# Altium PCB Rear Power Distibution.PcbDoc (part 3 of 3) (continued)
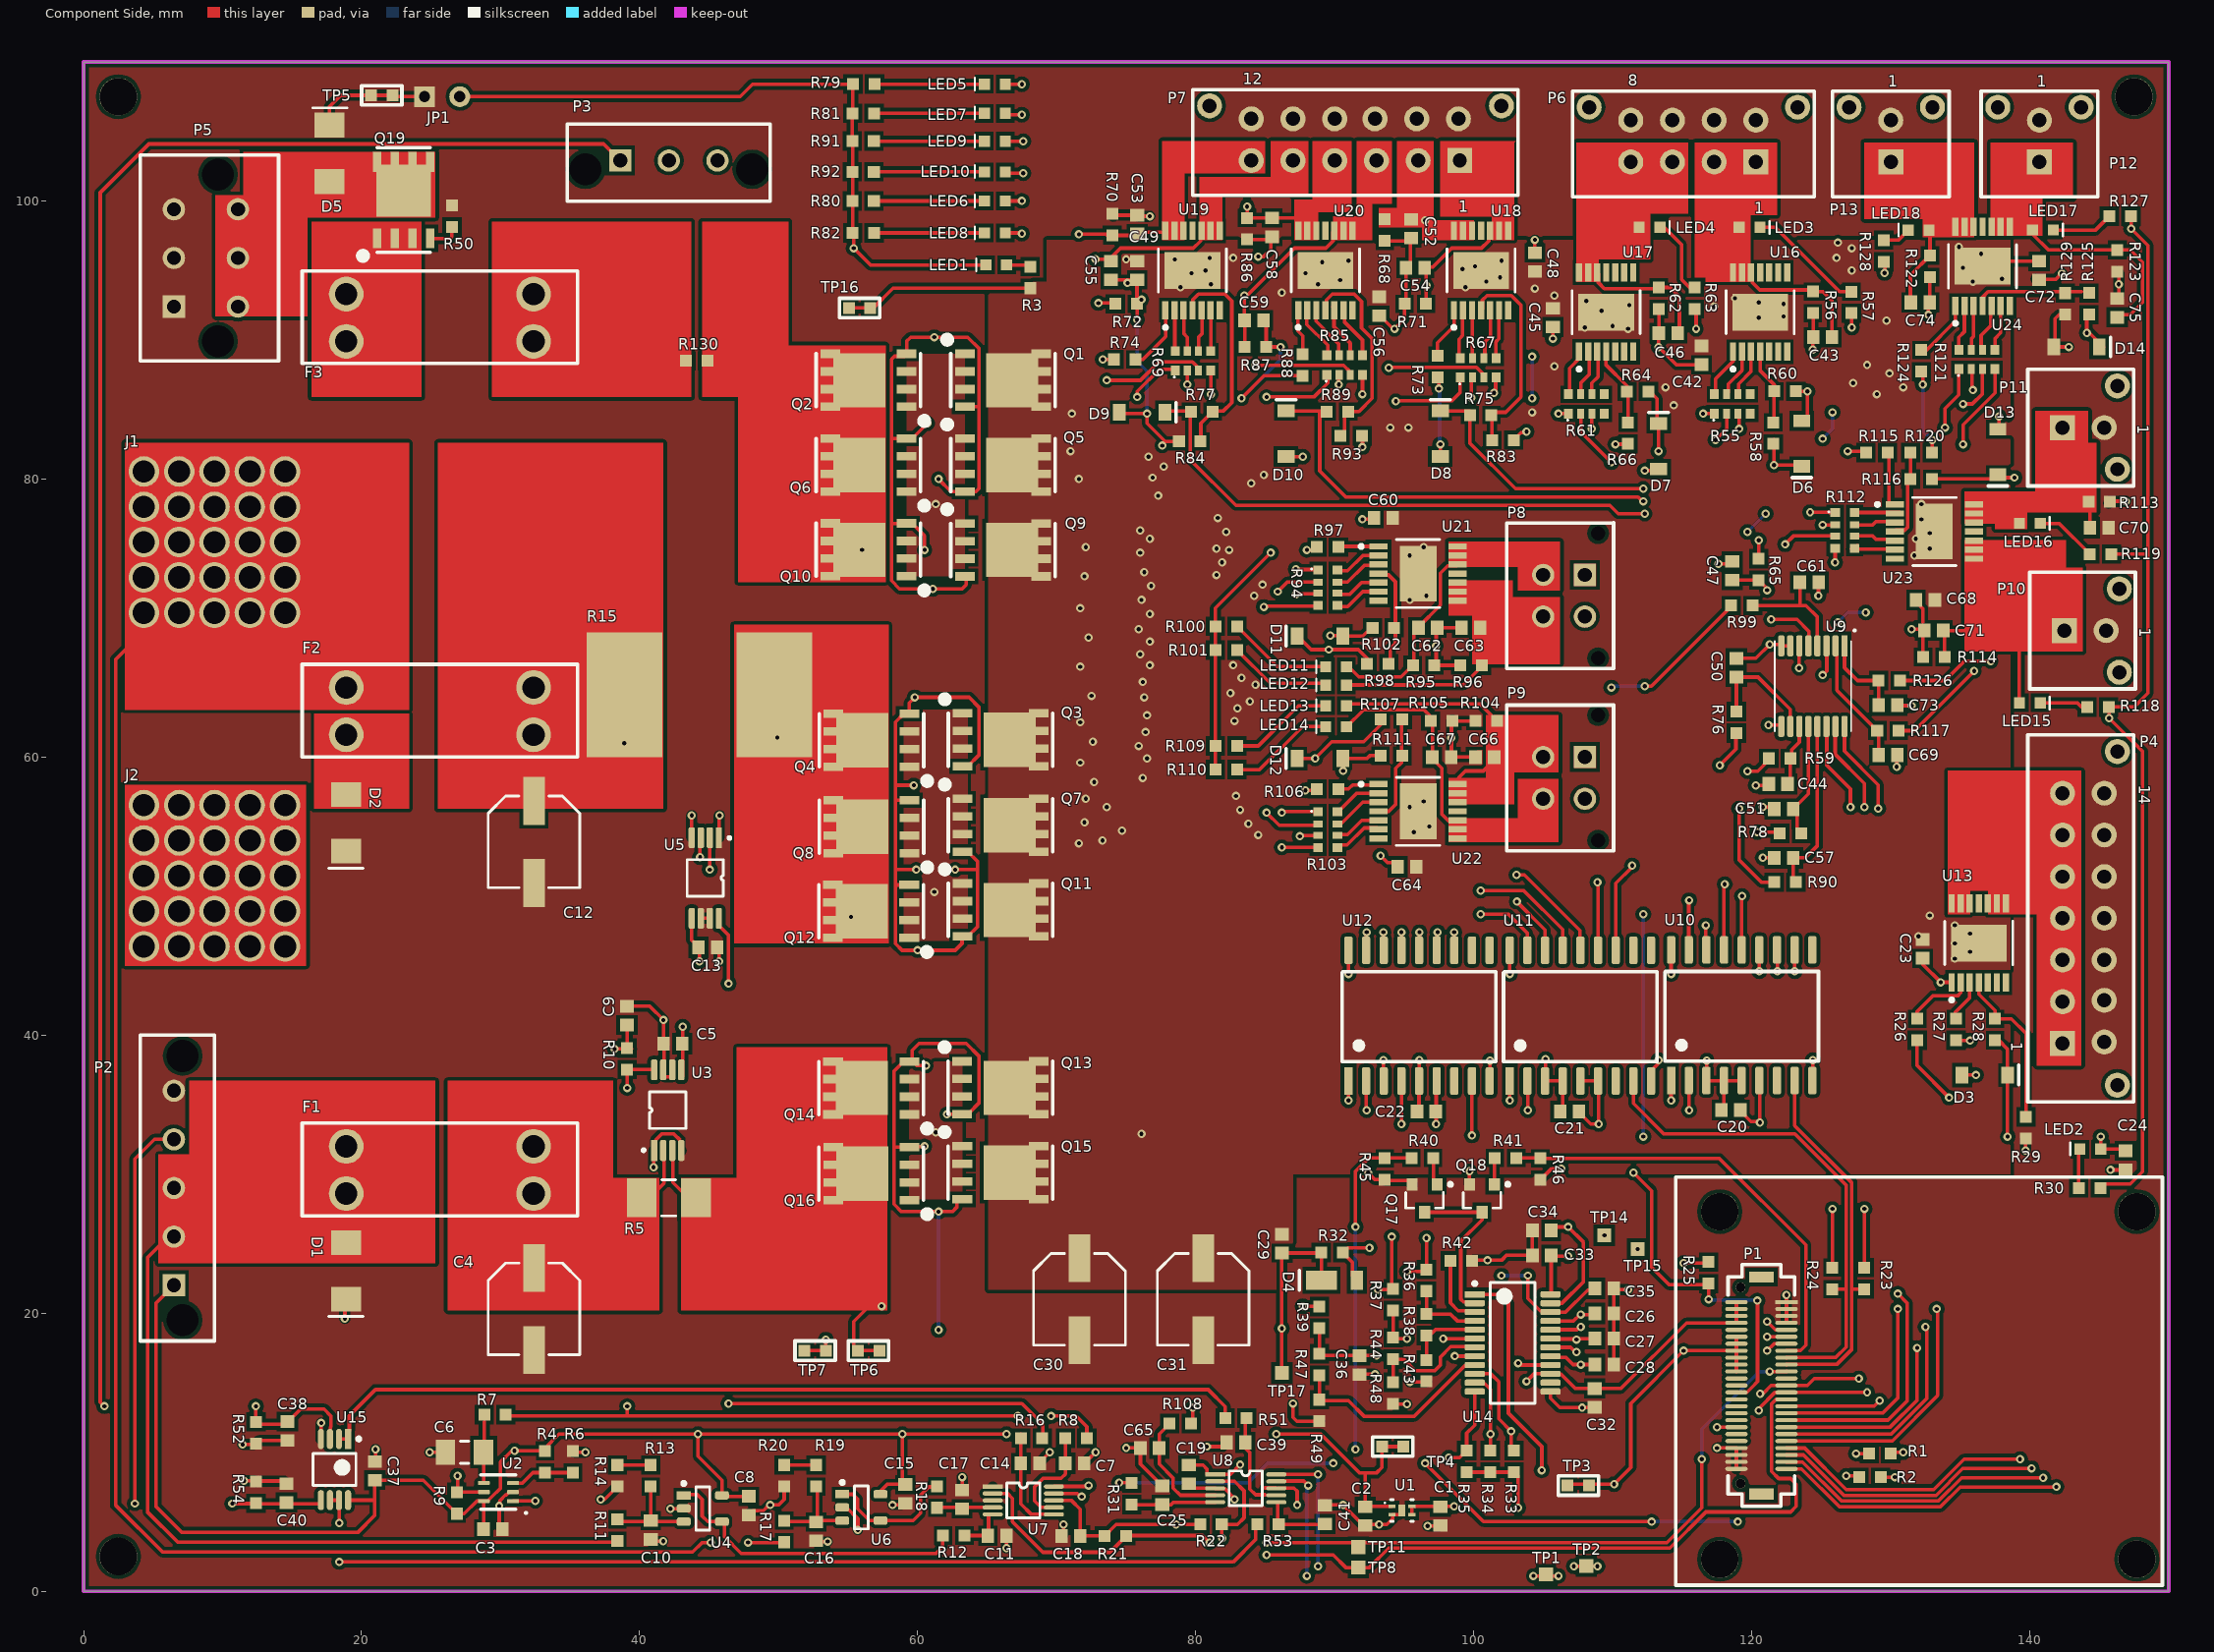
[diagram p0: Component Side view]
## Nets (pads, with @x,y where several pads share a name; then routed paths per layer and width w, separated by ;. In a path a pad name is that pad's centre, name@x,y a point inside that pad or via, vN(x,y) a via of type N, cw(c..) or ccw(c..) an arc to the next point about the centre after c; other vN are vias at no path point) (continued)
  Component Side w0.254: U14.10@100.075,15.635 101.227,15.635 101.8,15.062 101.8,12.4 v1(102.7,11.5) 102.7,10.512 102.6,10.412 R33.2@102.9,10.112 ; v1(121.1,19.4) 121.7,18.8 122.482,18.8 122.491,18.809 P1.5@122.5,18.8
  Signal w0.254: v1(102.7,11.5) 113.337,11.5 v1@121.037,19.2
PB0_MUX_OUTPUT: P1.17 U9.3 | length 65.4
  Component Side w0.254: P1.17@122.5,12.8 122.509,12.809 129.409,12.809 130.5,13.9 v1(130.5,20.3) ; v1(125.1,65.9) 125.4,66.2 U9.3@125.4,67.9
  Signal w0.254: v1(125.1,65.9) 126.206,64.794 126.206,35.042 131.181,30.067 131.181,21.118 130.5,20.437 v1(130.5,20.3)
PB1_FRONT_POWER_EN: P1.16 R26.1 | length 36.5
  Component Side w0.254: P1.16@122.5,13.3 122.509,13.309 128.809,13.309 v1(129.2,13.7) ; R26.1@131.9,39.625 131.9,37.8 v1(134.2,35.5)
  Signal w0.254: v1(129.2,13.7) 135,19.5 135,34.7 v1(134.2,35.5)
PB2_ADC_VSENSE_INT: P1.15 R21.2 TP8.TP U7.2 | length 73.7
  Component Side w0.254: U7.2@65.402,7.027 65.411,7.018 66.482,7.018 66.821,6.679 66.821,4.998 69.02,2.8 73.829,2.8 R21.2@75.002,3.973 75.029,4 80.5,4 v1(81,3.5) ; v1(85.1,2.6) 89.9,2.6 90.8,1.7 91.4,1.7 TP8.TP@91.571,1.871 ; TP8.TP@91.7,2 92,1.7 92.5,1.7 93.894,3.094 114.068,3.094 114.074,3.1 114.1,3.1 116.7,5.7 122.8,5.7 123.2,6.1 123.2,7.7 122.8,8.1 121.943,8.1 121.421,8.622 121.421,13.478 121.735,13.791 122.491,13.791 P1.15@122.5,13.8
  Signal w0.254: v1(81,3.5) 81.9,2.6 v1(85.1,2.6)
PB4_IO_REAR_LIGHT_EN_INT: P1.37 R25.2 U12.8 | length 40.9
  Component Side w0.254: v1(99.878,32.778) U12.8@99.878,36.7 ; v1(111.5,30.1) 112.8,28.8 112.8,23.3 114.05,22.05 116.9,22.05 v1(116.9,21) ; P1.37@118.9,14.3 118.909,14.309 119.665,14.309 120.042,14.685 120.042,14.705 120.419,15.082 120.419,20.881 v1(120.4,20.9)
  Signal w0.254: v1(99.878,32.778) 100.499,32.156 109.444,32.156 v1(111.5,30.1)
  Solder Side w0.254: v1(116.9,21) 116.95,20.95 120.35,20.95 v1(120.4,20.9)
PB8_EN: P1.32 U14.1 | length 31
  Component Side w0.254: U14.1@100.075,21.35 101.888,21.35 102.5,20.738 102.5,12.8 104.9,10.4 v1(104.9,8.7) ; v1(117.5,11.8) P1.32@118.9,11.8
  Signal w0.254: v1(104.9,8.7) 114.4,8.7 v1(117.5,11.8)
PB12_ADC_FRONT_PWR_INT: P1.11 R22.2 TP11.TP U8.2 | length 56.2
  Component Side w0.254: U8.2@81.4,7.9 82.8,7.9 83.481,7.219 83.481,5.281 83,4.8 R22.2@81.875,4.8 v1@81.875,3.825 ; v1(85.1,3.5) 91.7,3.5 113.9,3.5 116.4,6 v1(116.4,9.5) ; v1(121.294,15.8) P1.11@122.5,15.8 P1.11@122.509,15.809
  Signal w0.254: v1(81.9,3.8) 84.8,3.8 v1(85.1,3.5)
  Solder Side w0.254: v1(116.4,9.5) 116.4,11.663 120.537,15.8 v1(121.294,15.8)
PB13_IO_DSEL_IO_INT: P1.10 R23.2 U10.8 | length 29.3
  Component Side w0.254: P1.10@122.5,16.3 122.509,16.309 126.109,16.309 127.2,17.4 127.2,21.8 127.275,21.725 R23.2@128.1,21.725 ; U10.8@123.09,36.7 123.09,33.484 127.2,29.374 127.2,19.6
PB14_IO_LOAD_EN_INT: P1.9 R24.2 U11.8 | length 38.8
  Component Side w0.254: U11.8@111.484,36.7 111.484,35.079 113.663,32.9 123.1,32.9 126.794,29.206 126.794,19.5 ; P1.9@122.5,16.8 122.509,16.809 126.035,16.809 126.794,17.568 126.794,21.7 126.769,21.725 R24.2@125.8,21.725
PB15_S\H\D\N\: P1.8 R41.2 R46.1 | length 32.2
  Component Side w0.254: R41.2@103.071,31.162 104.775,31.162 R46.1@104.8,31.137 117.663,31.137 123.9,24.9 123.9,17.7 123.5,17.3 P1.8@122.5,17.3
POWER_SUPLLY_FUSED: C33.1 Q2.5 Q2.6 Q2.7 Q2.8 Q6.5 Q6.6 Q6.7 Q6.8 Q10.5 Q10.6 Q10.7 Q10.8 R36.1 R130.2 U14.24 | length 109.8
  Component Side w0.254: v1(95.2,23) 96.463,23 R36.1@96.6,23.137 v1(96.6,25.4) ; U14.24@105.025,21.35 U14.24@105.525,21.35 105.575,21.4 C33.1@105.575,24.157 105.632,24.1 v1(106.8,24.1)
  Signal w0.254: v1(56,74.9) 56,24.2 57.2,23 v1(95.2,23) ; v1(96.6,25.4) 106.2,25.4 106.8,24.8 v1(106.8,24.1)
REAR_BRAKE_LIGHT_DSEL: R85.3 U10.12 | length 101
  Component Side w0.254: v1(84.27,88.17) 90.645,88.17 91.12,87.695 R85.3@91.12,87.5 ; U10.12@121.835,46.045 121.835,44.615 v1(121.85,44.6)
  Signal w0.254: v1(84.27,88.17) 75.77,88.17 74.386,86.786 74.386,57.74 86.132,45.994 120.456,45.994 v1@121.8,44.65
REAR_BRK_LIGHT_ISENSE: C57.1 R90.1 U9.12 | length 12.5
  Component Side w0.254: R90.1@123.175,51 122.975,51.2 C57.1@122.975,52.754 123.854,52.754 124.725,53.625 U9.12@124.725,62.2
REAR_CAMERA_EN: R103.1 U11.14 | length 30.3
  Component Side w0.254: v1(86.2,56) 86.29,56.09 88.79,56.09 R103.1@88.8,56.08 ; v1(103.076,51.524) 103.641,51.524 107.637,47.529 U11.14@107.637,45.737
  Signal w0.254: v1(86.2,56) 86.2,54.463 89.115,51.548 103.052,51.548 v1(103.076,51.524)
Rear_Camera_PWR: C66.1 LED13.1 P9.2 R104.1 U22.12 U22.13 U22.14 | length 17.9
  Component Side w0.254: LED13.1@90.85,63.69 90.97,63.81 100.465,63.81 R104.1@101.675,62.6 101.675,60.2 C66.1@101.475,60 101.475,59.775 100.7,59 99.4,59 98.9,58.5 98.9,58.1 U22.14@98.85,58.05
Rear_Left_Brake_Light_PWR: C58.1 LED10.1 P7.4 R86.1 U20.12 U20.13 U20.14 | length 23.9
  Component Side w0.254: LED10.1@66.3,102.09 66.39,102 v1(67.6,102) ; v1(83.7,99.6) R86.1@83.7,98.775 C58.1@85.5,98.775 87.379,98.775 U20.14@87.379,97.85
  Signal w0.254: v1(67.6,102) 71.2,102 72.8,100.4 82.9,100.4 v1(83.7,99.6)
REAR_LEFT_BRAKEL_EN: R85.4 U12.14 | length 61.2
  Component Side w0.254: v1(92,86.1) R85.4@92,87.5 ; U12.14@96.068,45.7 96.2,45.832 96.1,45.932 v1(96.1,47.4)
  Signal w0.254: v1(92,86.1) 87.911,86.1 79.557,77.746 79.557,71.438 79.608,55.415 85.911,49.112 94.388,49.112 v1(96.1,47.4)
REAR_LEFT_TURN_EN: R69.4 U12.16 | length 53.4
  Component Side w0.254: R69.4@81.09,87.89 81.09,86.11 v1(81.1,86.1) ; U12.16@93.514,45.714 v1@93.514,47.286
  Signal w0.254: v1(81.1,86.1) 81.1,85.9 81.1,80.6 78.571,78.071 78.571,55.303 85.574,48.3 92.6,48.3 v1(93.5,47.4)
Rear_Left_Turn_Light_PWR: C53.1 LED8.1 P7.6 R70.1 U19.12 U19.13 U19.14 | length 11.9
  Component Side w0.254: LED8.1@66.3,97.7 67.45,97.7 v1(67.5,97.65) ; v1(71.6,97.6) 73.579,97.6 73.779,97.4 R70.1@73.875,97.496 ; R70.1@73.925,97.396 R70.1@74.025,97.496 ; R70.1@74,97.525 75.7,97.525 C53.1@75.8,97.625 75.927,97.752 77.752,97.752 U19.14@77.85,97.85
  Signal w0.254: v1(67.5,97.65) 71.55,97.65 v1(71.6,97.6)
Rear_Right_Brake_Light_PWR: C59.1 LED9.1 P7.3 R87.1 U20.8 U20.9 U20.10 | length 39.3
  Component Side w0.254: LED9.1@66.3,104.3 v1(67.6,104.3) ; R87.1@83.525,89.9 C59.1@83.525,91.7 ; C59.1@83.525,91.4 83.5,91.425 v1(83.5,93.2) 83.7,93.2 87.104,96.604 89.358,96.604 89.881,97.127 89.881,97.752 U20.10@89.979,97.85
  Signal w0.254: v1(67.6,104.3) 71.1,104.3 73.9,101.5 82.763,101.5 84.381,99.882 84.381,96.913 83.5,96.032 v1(83.5,93.2)
REAR_RIGHT_BRAKEL_EN: R85.1 U12.15 | length 59.1
  Component Side w0.254: v1(85.1,85.9) 88.5,85.9 89.5,86.9 89.5,87.23 R85.1@89.3,87.43 ; U12.15@94.799,45.701 v1@94.799,47.299
  Signal w0.254: v1(85.1,85.9) 85.1,83.9 79.1,77.9 79.1,55.348 85.742,48.706 93.493,48.706 v1(94.799,47.4)
REAR_RIGHT_TURN_EN: R69.1 U12.17 | length 54.4
  Component Side w0.254: v1(75.8,85.9) 75.8,86.3 77.4,87.9 R69.1@78.52,87.9 ; U12.17@92.279,45.721 v1@92.279,47.279
  Signal w0.254: v1(75.8,85.9) 75.8,78.6 78.062,76.338 78.13,55.17 85.9,47.4 v1(92.3,47.4)
Rear_Right_Turn_Light_PWR: C55.1 LED6.1 P7.5 R72.1 U19.8 U19.9 U19.10 | length 23.3
  Component Side w0.254: LED6.1@66.3,100 v1(67.5,100) ; v1(72.8,95.8) 73.625,95.8 73.825,95.6 C55.1@73.9,95.675 ; v1(73,92.654) R72.1@74.225,92.654 ; C55.1@73.9,95.904 74.6,96.604 79.829,96.604 80.352,97.127 80.352,97.752 U19.10@80.45,97.85
  Signal w0.254: v1(67.5,100) 71.5,100 72.8,98.7 72.8,92.9 v1@73,92.7
REAR_TURN_LIGHT_DSEL: R69.3 U10.13 | length 90.7
  Component Side w0.254: v1(73.6,87.1) 76.026,87.1 77.355,88.429 79.766,88.429 80.2,87.995 R69.3@80.2,87.8 ; v1(120.55,44.6) U10.13@120.55,46.1
  Signal w0.254: v1(73.6,87.1) 73.6,84.6 73.679,60.021 73.679,57.821 85.912,45.588 119.562,45.588 v1(120.55,44.6) v1@120.6,44.6
REAR_TURN_LIGHT_ISENSE: C51.1 R78.1 U9.13 | length 8.4
  Component Side w0.254: R78.1@123.575,54.509 123.277,54.807 123.277,55.961 C51.1@122.975,56.263 124.075,57.363 U9.13@124.075,62.2
SOLAR_SENSE_EN: R94.1 U11.17 | length 52.1
  Component Side w0.254: v1(87.2,73.5) 87.21,73.49 88.79,73.49 R94.1@88.8,73.48 ; v1(100.5,48.7) 102.5,48.7 103.864,47.336 U11.17@103.864,46.1 U11.17@103.864,45.7
  Signal w0.254: v1(87.2,73.5) 83.5,73.5 81,71 81,55.745 86.415,50.33 98.77,50.33 100.4,48.7 v1(100.5,48.7)
Solar_Sense_PWR: C62.1 LED11.1 P8.2 R95.1 U21.12 U21.13 U21.14 | length 14.2
  Component Side w0.254: LED11.1@91,66.5 91.729,65.771 94.771,65.771 R95.1@95.62,66.62 ; R95.1@95.625,66.6 95.702,66.677 95.702,68.977 C62.1@96.025,69.3 96.025,69.35 97.604,70.929 97.604,73.229 98.127,73.752 98.752,73.752 U21.12@98.85,73.85
SOLAR_TELEMETRY_DSEL: R94.3 U10.17 | length 47.2
  Component Side w0.254: v1(87.2,71.7) 87.25,71.75 88.75,71.75 R94.3@88.8,71.8 ; U10.17@115.468,45.702 115.468,49.668 v1(115.5,49.7)
  Signal w0.254: v1(87.2,71.7) 87.2,64.674 89.037,62.837 94.863,62.837 108,49.7 v1(115.5,49.7)
SOLAR_TELEMETRY_ISENSE: C61.1 R99.1 U9.4 | length 8.8
  Component Side w0.254: R99.1@120.075,70.9 123.515,70.9 ; C61.1@123.463,72.562 123.463,70.952 123.515,70.9 ; U9.4@124.725,68 124.725,70.075 123.9,70.9 123.515,70.9
SPARE1_2_ISENSE: C69.1 R117.1 U9.2 | length 9.1
  Component Side w0.254: U9.2@126.025,68 126.123,67.902 126.123,64.802 R117.1@129.025,61.9 129.125,61.8 C69.1@129.125,60.146
SPARE3_4_ISENSE: C73.1 R126.1 U9.1 | length 6.2
  Component Side w0.254: U9.1@126.675,68 126.675,66.425 127.6,65.5 R126.1@129.125,65.5 ; C73.1@129.125,63.741 R126.1@129.125,65.496
SPARE_1_2_DESEL: R112.3 U10.15 | length 41
  Component Side w0.254: U10.15@118.01,45.7 U10.15@118.01,46.131 118.01,50.81 v1(118.055,50.855) ; v1(122.4,75.3) 123,75.9 R112.3@126,75.9
  Signal w0.254: v1(118.055,50.855) 121.718,50.855 123.381,52.518 123.381,58.419 119.819,61.981 119.819,73.819 121.3,75.3 v1(122.4,75.3)
Spare_1_PWR: C71.1 LED15.1 P10.1 R114.1 U23.8 U23.9 U23.10 | length 15.2
  Component Side w0.254: C71.1@133.775,69.1 C71.1@133.875,69.1 ; R114.1@133.875,67.2 C71.1@133.875,69.1 ; 135.989,71.689 U23.8@135.989,74.271 ; 136.1,69.3 135.9,69.1 C71.1@133.875,69.1 ; LED15.1@139.25,63.9 139.25,68.85 139.5,69.1 P10.1@142.5,69.1
Spare_2_PWR: C70.1 LED16.1 P11.1 R113.1 U23.12 U23.13 U23.14 | length 7.9
  Component Side w0.254: LED16.1@139.25,76.81 139.25,77.45 140.1,78.3 144.166,78.3 R113.1@144.225,78.358 144.325,78.258 C70.1@144.325,76.5
SPARE_3_4_DESEL: R121.3 U10.14 | length 59
  Component Side w0.254: U10.14@119.28,45.7 U10.14@119.28,46.131 119.28,49.98 v1(119.3,50) ; v1(135.2,85.4) 135.863,85.4 136.6,86.137 R121.3@136.6,87.9
  Signal w0.254: v1(119.3,50) 121.437,50 123.787,52.35 123.787,58.587 120.225,62.149 120.225,72.525 122.2,74.5 122.563,74.5 123.4,75.337 123.4,81.2 v1(125.1,82.9) ; v1(125.8,84.8) 126.4,85.4 134.9,85.4
  Solder Side w0.254: v1(125.1,82.9) 125.8,83.6 v1(125.8,84.8)
Spare_3_PWR: C75.1 LED17.1 P12.1 R123.1 U24.8 U24.9 U24.10 | length 15
  Component Side w0.254: 138.794,97.91 LED17.1@139.94,97.91 ; LED17.1@139.94,97.773 LED17.1@139.94,97.91 ; LED17.1@139.94,97.983 LED17.1@139.94,97.91 ; LED17.1@140.2,97.617 141.342,96.475 R123.1@145.963,96.475 ; LED17.1@140.2,97.91 LED17.1@139.94,97.91 ; R123.1@146.3,96.475 147.225,96.475 148.1,95.6 148.1,92.7 147.225,91.825 C75.1@146.4,91.825
Spare_4_PWR: C74.1 LED18.1 P13.1 R122.1 U24.12 U24.13 U24.14 | length 7.7
  Component Side w0.254: C74.1@131.412,92.707 131.412,94.707 131.463,94.707 R122.1@132.825,96.07 ; LED18.1@132.75,97.89 134.605,97.89 U24.14@134.65,97.935 ; LED18.1@132.863,97.597 132.825,97.56 R122.1@132.825,96.07 ; R122.1@133.036,96.281 R122.1@132.825,96.07
STROBE_CTR_BRK_DSEL: R67.3 U10.11 | length 110.3
  Component Side w0.254: v1(93.897,87.997) 93.929,88.029 100.195,88.029 100.729,87.495 R67.3@100.729,87.3 ; U10.11@123.095,46.095 123.095,44.605 v1(123.1,44.6)
  Signal w0.254: v1(93.897,87.997) 85.06,87.997 84.552,87.489 76.426,87.489 75.033,86.096 75.033,57.667 86.3,46.4 121.3,46.4 v1(123.1,44.6)
STROBE_CTR_BRK_ISENSE: C50.1 R76.1 U9.15 | length 8.5
  Component Side w0.254: R76.1@118.9,63.275 C50.1@118.9,65.75 120.45,65.75 122.775,63.425 U9.15@122.775,62.2
STROBE_LIGHT_EN: R67.1 U12.13 | length 68
  Component Side w0.254: v1(94.4,85.6) 94.434,85.634 98.434,85.634 99.011,86.211 R67.1@99.011,87.3 ; U12.13@97.369,45.731 v1@97.369,47.369
  Signal w0.254: v1(94.4,85.6) 94.1,85.3 87.9,85.3 80,77.4 80,59.941 80.014,55.583 86.079,49.518 95.282,49.518 v1(97.4,47.4)
Strobe_Light_PWR: C54.1 LED5.1 P7.1 R71.1 U18.8 U18.9 U18.10 | length 59.3
  Component Side w0.254: LED5.1@66.3,108.4 v1(67.5,108.4) ; R71.1@96.575,92.6 96.575,95.1 C54.1@96.475,95.2 96.475,95.25 97.06,95.25 98.414,96.604 100.558,96.604 101.081,97.127 101.081,97.752 U18.10@101.179,97.85
  Signal w0.254: v1(67.5,108.4) 76.051,108.4 76.551,108.9 99.3,108.9 100.719,107.481 100.719,98.019 v1(96.6,93.9)
TELEMETRY_EN: R94.4 U11.16 | length 48.9
  Component Side w0.254: v1(84.9,70.8) 84.95,70.85 88.73,70.85 R94.4@88.8,70.92 ; v1(103.1,49.6) 105.134,47.566 U11.16@105.134,46.1
  Signal w0.254: v1(84.9,70.8) 81.406,67.306 81.406,55.913 86.583,50.736 99.201,50.736 100.337,49.6 v1(103.1,49.6)
Telemetry_PWR: C63.1 LED12.1 P8.1 R96.1 U21.8 U21.9 U21.10 | length 16.1
  Component Side w0.254: LED12.1@91.05,65.185 96.785,65.185 96.8,65.2 99.275,65.2 100.3,66.225 R96.1@100.3,66.7 ; U21.8@98.85,71.25 98.85,70.65 99.2,70.3 100.3,70.3 100.475,70.125 C63.1@100.475,69.3 100.475,66.881 R96.1@100.294,66.7
VBAT: C23.1 C29.1 C30.1 C31.1 C32.1 C42.1 C45.1 C48.1 C49.1 C56.1 C60.1 C64.1 C68.1 C72.1 P1.47 P1.48 P1.49 P1.50 Q1.5 Q1.6 Q1.7 Q1.8 Q3.5 Q3.6 Q3.7 Q3.8 Q5.5 Q5.6 Q5.7 Q5.8 Q7.5 Q7.6 Q7.7 Q7.8 Q9.5 Q9.6 Q9.7 Q9.8 Q11.5 Q11.6 Q11.7 Q11.8 Q13.5 Q13.6 Q13.7 Q13.8 Q15.5 Q15.6 Q15.7 Q15.8 R3.1 TP16.1 U13.15 U14.15 U16.15 U17.15 U18.15 U19.15 U20.15 U21.15 U22.15 U23.15 U24.15 | length 96.4
  Component Side w0.254: TP16.1@55.05,92.3 TP16.1@56.6,92.3 56.8,92.3 58.225,93.725 R3.1@68.1,93.725 ; v1(103.8,15.1) 104.335,15.635 U14.15@105.525,15.635 105.765,15.635 105.8,15.6 106.301,15.6 107.326,14.575 C32.1@108.625,14.575 ; C32.1@108.625,14.6 110.6,14.6 115.3,19.3 P1.47@118.9,19.3 P1.48@118.9,19.8 P1.49@118.9,20.3 P1.50@118.9,20.8 ; U24.15@136.604,95.3 136.979,95.675 C72.1@140.662,95.675
  Signal w0.254: v1(76.1,32.9) 77.4,31.6 108.5,31.6 113.294,26.806 113.294,17.794 110.6,15.1 v1(103.8,15.1)
  other v1: 134.6,45.5 135.7,46 134.6,46.6 132,47.1 135.7,47.3 134.6,47.9 132.8,48.6 71.6,53.8 73.3,54 84.5,54.4 95.7,54.6 74.7,54.7 96.8,55 83.8,55.2 72,55.3 83.2,56.2 73.6,56.4 95.4,56.4 96.4,56.8 72.1,57 82.9,57.2 72.7,58.2 76.2,58.5 71.7,59.6 76.5,59.9 75.9,60.8 72.6,61.1 76.4,61.8 71.7,62.5 82.8,62.6 76.5,63 83,63.5 83.9,64 76.3,64.3 72.5,64.4 82.5,64.6 84.3,65.2 76.2,65.4 83.3,65.7 71.7,66.5 76.7,66.6 82.7,66.6 76,67.4 76.7,68.3 72.3,68.6 75.9,69.2 76.7,70.3 71.7,70.7 76.1,71.3 95.4,71.3 84.2,71.6 96.6,71.6 76.8,72.3 84.8,72.4 72,73 81.5,73.1 76.3,73.3 81.9,74 95.4,74.5 131.7,74.5 76,74.7 82.4,74.9 81.5,75 132.8,75 72.1,75.1 96.4,75.1 76.7,75.7 131.8,75.7 132.8,76.1 82.2,76.2 76,76.3 132.2,77.1 81.6,77.2 132.2,78.2 77.3,78.8 84,79.7 71.6,80 76.9,80.1 84.9,80.3 77.7,80.9 76.6,81.6 71,82 94,83.7 95.3,83.7 71.1,84.7 104.2,84.8 114.4,85.3 129,86.1 113.8,86.6 130.9,86.6 127.3,86.9 129.9,87.6 105.8,88.1 128.3,88.2 111.1,90.8 108,90.9 110,91 129.7,91.4 120.5,91.6 122.3,91.7 109.2,92.1 117.3,92.4 111.2,92.5 122.3,92.6 120.5,92.7 108.1,92.8 118.8,93 105.8,93.2 86.2,93.4 104.4,93.7 78.9,93.8 99.4,93.8 81.1,94 88.8,94 100.9,94.2 135.9,94.2 90.4,94.3 138,94.4 101.9,94.5 79.7,94.8 87.9,94.8 80.7,95 127.2,95 99.2,95.1 135.2,95.2 100.1,95.3 89.1,95.6 91,95.7 102,95.7 75,95.8 78.5,95.8 81,95.9 82.7,95.9 126.1,95.9 136.5,96.2 127.2,96.6 134.9,96.7 126.2,97
VG_1: Q1.4 Q2.4 Q5.4 Q6.4 Q9.4 Q10.4 TP14.TP U14.20 | length 165.7
  Component Side w0.254: v1(60.5,74.9) 60.5,75.923 59.61,76.813 Q10.4@59.205,76.813 59.192,76.8 58.114,76.8 ; v1(60.7,84) 60.7,83.995 59.61,82.905 Q6.4@59.205,82.905 59.2,82.9 58.114,82.9 ; v1(61.5,80) 62.405,79.095 Q5.4@63.395,79.095 ; Q9.4@63.3,72.995 63.5,72.795 63.5,72.4 63.2,72.1 v1(61.1,72.1) 58.698,72.1 58.114,72.684 58.114,76.8 ; Q5.4@63.395,79.1 64.2,79.1 64.4,79.3 64.4,85.2 ; Q1.4@63.395,85.195 63.4,85.2 64.4,85.2 ; U14.20@105.525,18.81 107.416,18.81 107.606,19 v1(107.7,19) ; 58.114,76.8 58.114,82.9 ; 58.114,82.9 58.114,88.614 58.327,88.827 59.027,88.827 Q2.4@59.205,89.005 59.205,89.905 59.5,90.2 v1(61.2,90.2) 63.61,90.2 64.4,89.41 64.4,85.2
  Signal w0.254: v1(61.1,72.1) 58.698,72.1 57.594,70.996 57.594,25.306 58.6,24.3 64,24.3 64.006,24.294 86.394,24.294 89.9,27.8 107.9,27.8 109.4,26.3 v1(109.4,25.6) 109.4,20.637 107.763,19 v1(107.7,19)
VG_2: Q3.4 Q4.4 Q7.4 Q8.4 Q11.4 Q12.4 TP15.TP U14.18 | length 139.4
  Component Side w0.254: Q8.4@59.39,56.9 58.404,56.9 ; Q12.4@59.393,50.805 59.388,50.8 58.404,50.8 ; v1(59.727,57.973) 58.531,57.973 58.404,58.1 ; v1(59.9,51.9) 58.504,51.9 58.404,52 ; v1(62.7,51.9) 64.3,51.9 ; Q7.4@63.222,53.195 63.6,53.195 64.3,52.495 64.3,51.9 ; Q3.4@63.222,59.33 63.605,59.33 64.4,60.125 64.4,63.6 63.7,64.3 v1(59.8,64.3) 59.393,63.893 59.393,63.105 58.988,63.105 58.404,62.521 58.404,58.1 ; U14.18@105.525,17.54 106.966,17.54 107.306,17.2 v1(107.4,17.2) ; 58.404,50.8 58.404,52 ; 58.404,50.8 58.404,46.574 58.878,46.1 v1(60,46.1) 62.7,46.1 63.195,46.595 63.195,47.095 Q11.4@63.222,47.095 63.6,47.095 64.3,47.795 64.3,51.9 ; 58.404,52 58.404,56.9 ; 58.404,56.9 58.404,58.1
  Signal w0.254: v1(60,46.1) 58.8,44.9 58.8,26.449 59.849,25.4 86.1,25.4 89.5,28.8 108.5,28.8 111.8,25.5 v1(111.8,24.6) 111.8,23 112.4,22.4 112.4,18.174 111.426,17.2 v1(107.4,17.2)
VG_3: C29.2 D4.2 Q13.4 Q14.4 Q15.4 Q16.4 R32.1 TP17.TP | length 79.2
  Component Side w0.254: Q14.4@59.6,38.3 59.6,38.9 60.1,39.4 63.5,39.4 64.4,38.5 64.4,35.1 63.698,34.398 63.303,34.398 Q13.4@63.207,34.303 63.206,34.301 v1(62.1,34.3) v1(62.1,34.3) ; v1(60.5,32) 60.474,31.974 59.438,31.974 Q16.4@59.412,31.948 58.3,31.948 ; v1(60.6,37.8) 59.919,37.8 59.919,37.927 59.741,38.105 Q14.4@59.405,38.105 59,38.105 58.3,37.405 58.3,31.948 ; Q15.4@63.215,28.203 62.81,28.203 62.81,27.61 62.5,27.3 v1(61.5,27.3) 58.84,27.3 58.3,27.84 58.3,31.948 ; C29.2@85.9,24.325 C29.2@85.925,24.3 ; TP17.TP@86.2,15.7 v1(86.2,18.9) C29.2@86.2,24.325 R32.1@89.025,24.325 ; R32.1@89.025,24.362 89.05,24.337 D4.2@89.05,22.362
  Signal w0.254: v1(61.5,18.8) 86.1,18.8 v1(86.2,18.9)
  Solder Side w0.254: v1(61.5,18.8) v1(61.5,27.3)
VS_1: C26.1 Q1.1 Q1.2 Q1.3 Q2.1 Q2.2 Q2.3 Q5.1 Q5.2 Q5.3 Q6.1 Q6.2 Q6.3 Q9.1 Q9.2 Q9.3 Q10.1 Q10.2 Q10.3 U14.21 | length 119.2
  Component Side w0.254: U14.21@105.525,19.445 107.182,19.445 107.637,19.9 v1(107.7,19.9) 108.651,19.9 C26.1@108.725,19.975
  Signal w0.254: v1(61.3,78.2) 61.3,77.163 56.8,72.663 56.8,25 58.2,23.6 86.4,23.6 90.1,27.3 107.7,27.3 108.1,26.9 108.1,20.3 v1(107.7,19.9)
VS_2: C27.1 Q3.1 Q3.2 Q3.3 Q4.1 Q4.2 Q4.3 Q7.1 Q7.2 Q7.3 Q8.1 Q8.2 Q8.3 Q11.1 Q11.2 Q11.3 Q12.1 Q12.2 Q12.3 U14.19 | length 94.5
  Component Side w0.254: U14.19@105.525,18.175 105.563,18.137 107.362,18.137 v1(107.4,18.1) 107.47,18.17 C27.1@108.725,18.17
  Signal w0.254: v1(61.2,50.3) 61.2,48.7 58.2,45.7 58.2,25.7 59.1,24.8 64.5,24.8 64.826,24.8 64.832,24.794 86.068,24.794 86.074,24.8 86.2,24.8 89.7,28.3 108.1,28.3 110.4,26 110.4,19 109.566,18.166 107.466,18.166 v1(107.4,18.1)
VS_3: C28.1 Q13.1 Q13.2 Q13.3 Q14.1 Q14.2 Q14.3 Q15.1 Q15.2 Q15.3 Q16.1 Q16.2 Q16.3 U14.17 | length 76.3
  Component Side w0.254: U14.17@105.525,16.905 105.623,16.807 106.631,16.807 107.138,16.3 v1(107.7,16.3) C28.1@108.725,16.3
  Signal w0.254: v1(61.3,33) 61.3,29.1 64.5,25.9 85.8,25.9 89.106,29.206 108.868,29.206 112.888,25.186 112.888,18.088 111.1,16.3 v1(107.7,16.3)
pads on no net: P1. P1.12 P1.30 P1.31 P1.33 P1.34 P1.35 P1.36 P1.38 P1.39 P1.46 P2. P3. P3.2 P4.0 P5. P6.0 P7.0 P8. P9. P10.0 P11.0 P12.0 P13.0 R55.4 R55.5 R61.4 R61.5 U10.7 U10.10 U11.7 U11.10 U11.11 U12.7 U12.10 U12.11 U13.5 U13.6 U13.7 U13.11 U14.14 U16.5 U16.6 U16.7 U16.8 U16.9 U16.10 U16.11 U17.5 U17.6 U17.7 U17.8 U17.9 U17.10 U17.11 U18.7 U18.11 U19.7 U19.11 U20.7 U20.11 U21.7 U21.11 U22.7 U22.11 U23.7 U23.11 U24.7 U24.11

## Polygon pours and split planes (outlines as drawn)
GND on Solder Side "Solder Side-GND" (solid, pour order 78): 0,110 150,110 150,0 0,0
VG_2 on Solder Side "Solder Side-VG_2" (solid, pour order 64): 63.6,65.2 63.6,45.3 59,45.3 59,65.2
VBAT on Solder Side "Solder Side-VBAT" (solid, pour order 68): 70.344,97.9 139.7,97.9 139.7,44.5 130.2,44.5 130.2,82.8 100.3,82.8 100.3,53.1 90.9,53.1 70.344,53.1
VG_3 on Solder Side "Solder Side-VG_3" (solid, pour order 62): 63.2,38.9 59.4,38.9 59.4,26.5 63.2,26.5
VG_1 on Solder Side "Solder Side-VG_1" (solid, pour order 66): 63.4,90.9 59.2,90.9 59.2,71.2 63.4,71.2
GND on Component Side "Component Side-GND" (solid, pour order 69): 0,110 150,110 150,0 0,0
VS_2 on Component Side "Component Side-VS_2" (solid, pour order 63): 59,63.4 59,46.7 59.1,46.8 63.6,46.8 63.6,63.4
VBAT on Component Side "Component Side-VBAT" (solid, pour order 67): 67.7,94.2 69.3,94.2 69.3,97.2 138.6,97.2 138.6,30 87,30 87,21.7 65.101,21.7 65.1,93.337 67.663,93.337 67.7,93.3
VS_1 on Component Side "Component Side-VS_1" (solid, pour order 65): 59.205,89.005 63.395,89.005 63.395,72.995 59.205,73.003
VS_3 on Component Side "Component Side-VS_3" (solid, pour order 61): 59.405,38.105 63.2,38.105 63.207,38.113 63.215,38.105 63.215,28.203 59.477,28.203 59.412,28.138
GND on Signal "Signal-GND" (solid, pour order 70): 0,110 150,110 150,0 0,0
no net on Ground (split plane): 149.49,109.49 149.49,0.51 0.51,0.51 0.51,109.49

## Keep-outs
Keep-Out Layer:
  the board outline again, w0.254

## Other copper
Component Side:
  region net Rear_Camera_PWR: 98.2,56.6 102.9,56.6 102.9,58.9 106.1,58.9 106.1,63 100.9,63 100.9,58.5 98.2,58.5
  region net Charger_PWR: 98.2,53.9 106.1,53.9 106.1,58.4 103.2,58.4 103.2,55.6 98.2,55.6
  region net Telemetry_PWR: 98.2,72.7 98.2,70.2 99.9,70.2 99.9,66.7 106.2,66.7 106.2,71.5 102.8,71.5 102.8,72.7
  region net Solar_Sense_PWR: 98.2,75.5 98.2,73.8 98.2,73.7 103.2,73.7 103.2,72 106.2,72 106.2,75.5
  region net Front_Power_Dist_PWR: 143.7,59 143.7,37.8 140.5,37.8 140.5,48.7 137,48.7 137,50.4 135.7,50.4 135.7,48.7 134.1,48.7 134.1,59
  region net Spare_1_PWR: 135.3,75.6 142.6,75.6 142.6,73.6 143.8,73.6 143.8,67.6 135.3,67.6
  region net Spare_2_PWR: 135.3,79.1 135.3,76.8 137.5,76.8 137.5,76.4 139.8,76.4 139.8,77.6 144.8,77.6 144.8,82.6 144.2,82.6 144.2,84.9 140.4,84.9 140.4,79.1
  region net Spare_3_PWR: 137.2,97.5 137.2,104.2 143.1,104.2 143.1,100.2 140.9,100.2 140.9,97.5
  region net Spare_4_PWR: 128.1,104.2 128.1,98.7 132.3,98.7 132.3,97.4 136,97.4 136,104.2
  region net Motor_Interface_PWR: 115.9,104.2 115.9,94.5 116.7,94.5 116.7,94.2 119.9,94.2 119.9,99 121.8,99 121.8,104.2
  region net BMS_PWR: 107.4,94.2 109,94.2 109,95.8 112.7,95.8 112.7,99.1 115.4,99.1 115.4,104.2 107.4,104.2
  region net Strobe_Light_PWR: 97.6,104.3 103,104.3 102.9,104.2 102.9,97.2 101.3,97.2 101.3,98.9 97.6,98.9
  region net Center_Brake_Light_PWR: 94.5,104.3 97.1,104.3 97.1,98.6 100,98.6 100,97.2 96.3,97.2 96.3,98.1 93.2,98.1 93.2,99.5 94.5,99.5
  region net Rear_Right_Brake_Light_PWR: 91.6,104.3 94.1,104.3 94.1,99.8 92.7,99.8 92.7,97.2 89.9,97.2 89.9,98.9 91.6,98.9
  region net Rear_Left_Brake_Light_PWR: 88.4,104.3 91.2,104.3 91.2,99.2 88.8,99.2 88.8,97.2 87.1,97.2 87.1,100.1 88.4,100.1
  region: 88.9,97.2
  region net Rear_Right_Turn_Light_PWR: 81.9,97.2 81.9,100.5 88.1,100.5 88.1,104.3 85.4,104.3 85.4,101.7 80.3,101.7 80.3,97.2
  region: 81.9,97.2
  region net Rear_Left_Turn_Light_PWR: 77.6,97.2 79.2,97.2 79.2,102 85,102 85,104.3 77.6,104.3
  region: 58.5,88.2
  region net AUX_FUSED: 43,29.7 43,20.2 57.8,20.2 57.8,39.1 47,39.1 47,29.7
  region net NetC4_1: 26.2,36.7 26.2,20.2 41.4,20.2 41.4,29.7 38.1,29.7 38.1,36.7
  region net AUX_BAT_IN: 5.4,31.4 5.4,23.6 25.3,23.6 25.3,36.7 7.6,36.7 7.6,31.4
  region net NetD2_1: 16.6,63.1 23.4,63.1 23.4,56.3 16.6,56.3
  region net DCDC_FUSED: 46.8,69.5 46.8,46.6 52.5,46.6 57.9,46.6 57.9,69.5
  region net NetD5_1: 25.3,98.8 25.3,103.5 11.5,103.5 11.5,100.4 9.5,100.4 9.5,91.7 16.1,91.7 16.1,98.8
  region net NetC12_1: 25.5,82.6 25.5,56.3 41.7,56.3 41.7,82.6
  region net DCDC_UNFUSED: 3,82.6 23.4,82.6 23.4,63.4 3,63.4
  region net NetF3_1: 24.3,98.5 24.3,85.9 16.4,85.9 16.4,98.5
  region net NetF3_2: 43.7,98.5 43.7,85.9 29.4,85.9 29.4,98.5
  region: 43.325,88.5
  region net POWER_SUPLLY_FUSED: 44.5,98.5 44.5,85.9 47.1,85.9 47.1,72.6 57.7,72.6 57.7,89.6 50.7,89.6 50.7,98.5
  region: 44.875,88.5
  pour cut-out: 61.3,37.4

## Silkscreen, mask and mechanical layers (free items; w line width, h text height)
Top Overlay:
  lines w0.254: 114.539,29.8 149.492,29.8 ; 114.542,0.435 114.542,29.8 ; 114.589,0.435 149.542,0.435 149.542,29.8